# Allegro board TubiiPCB_V6.brd (continued)
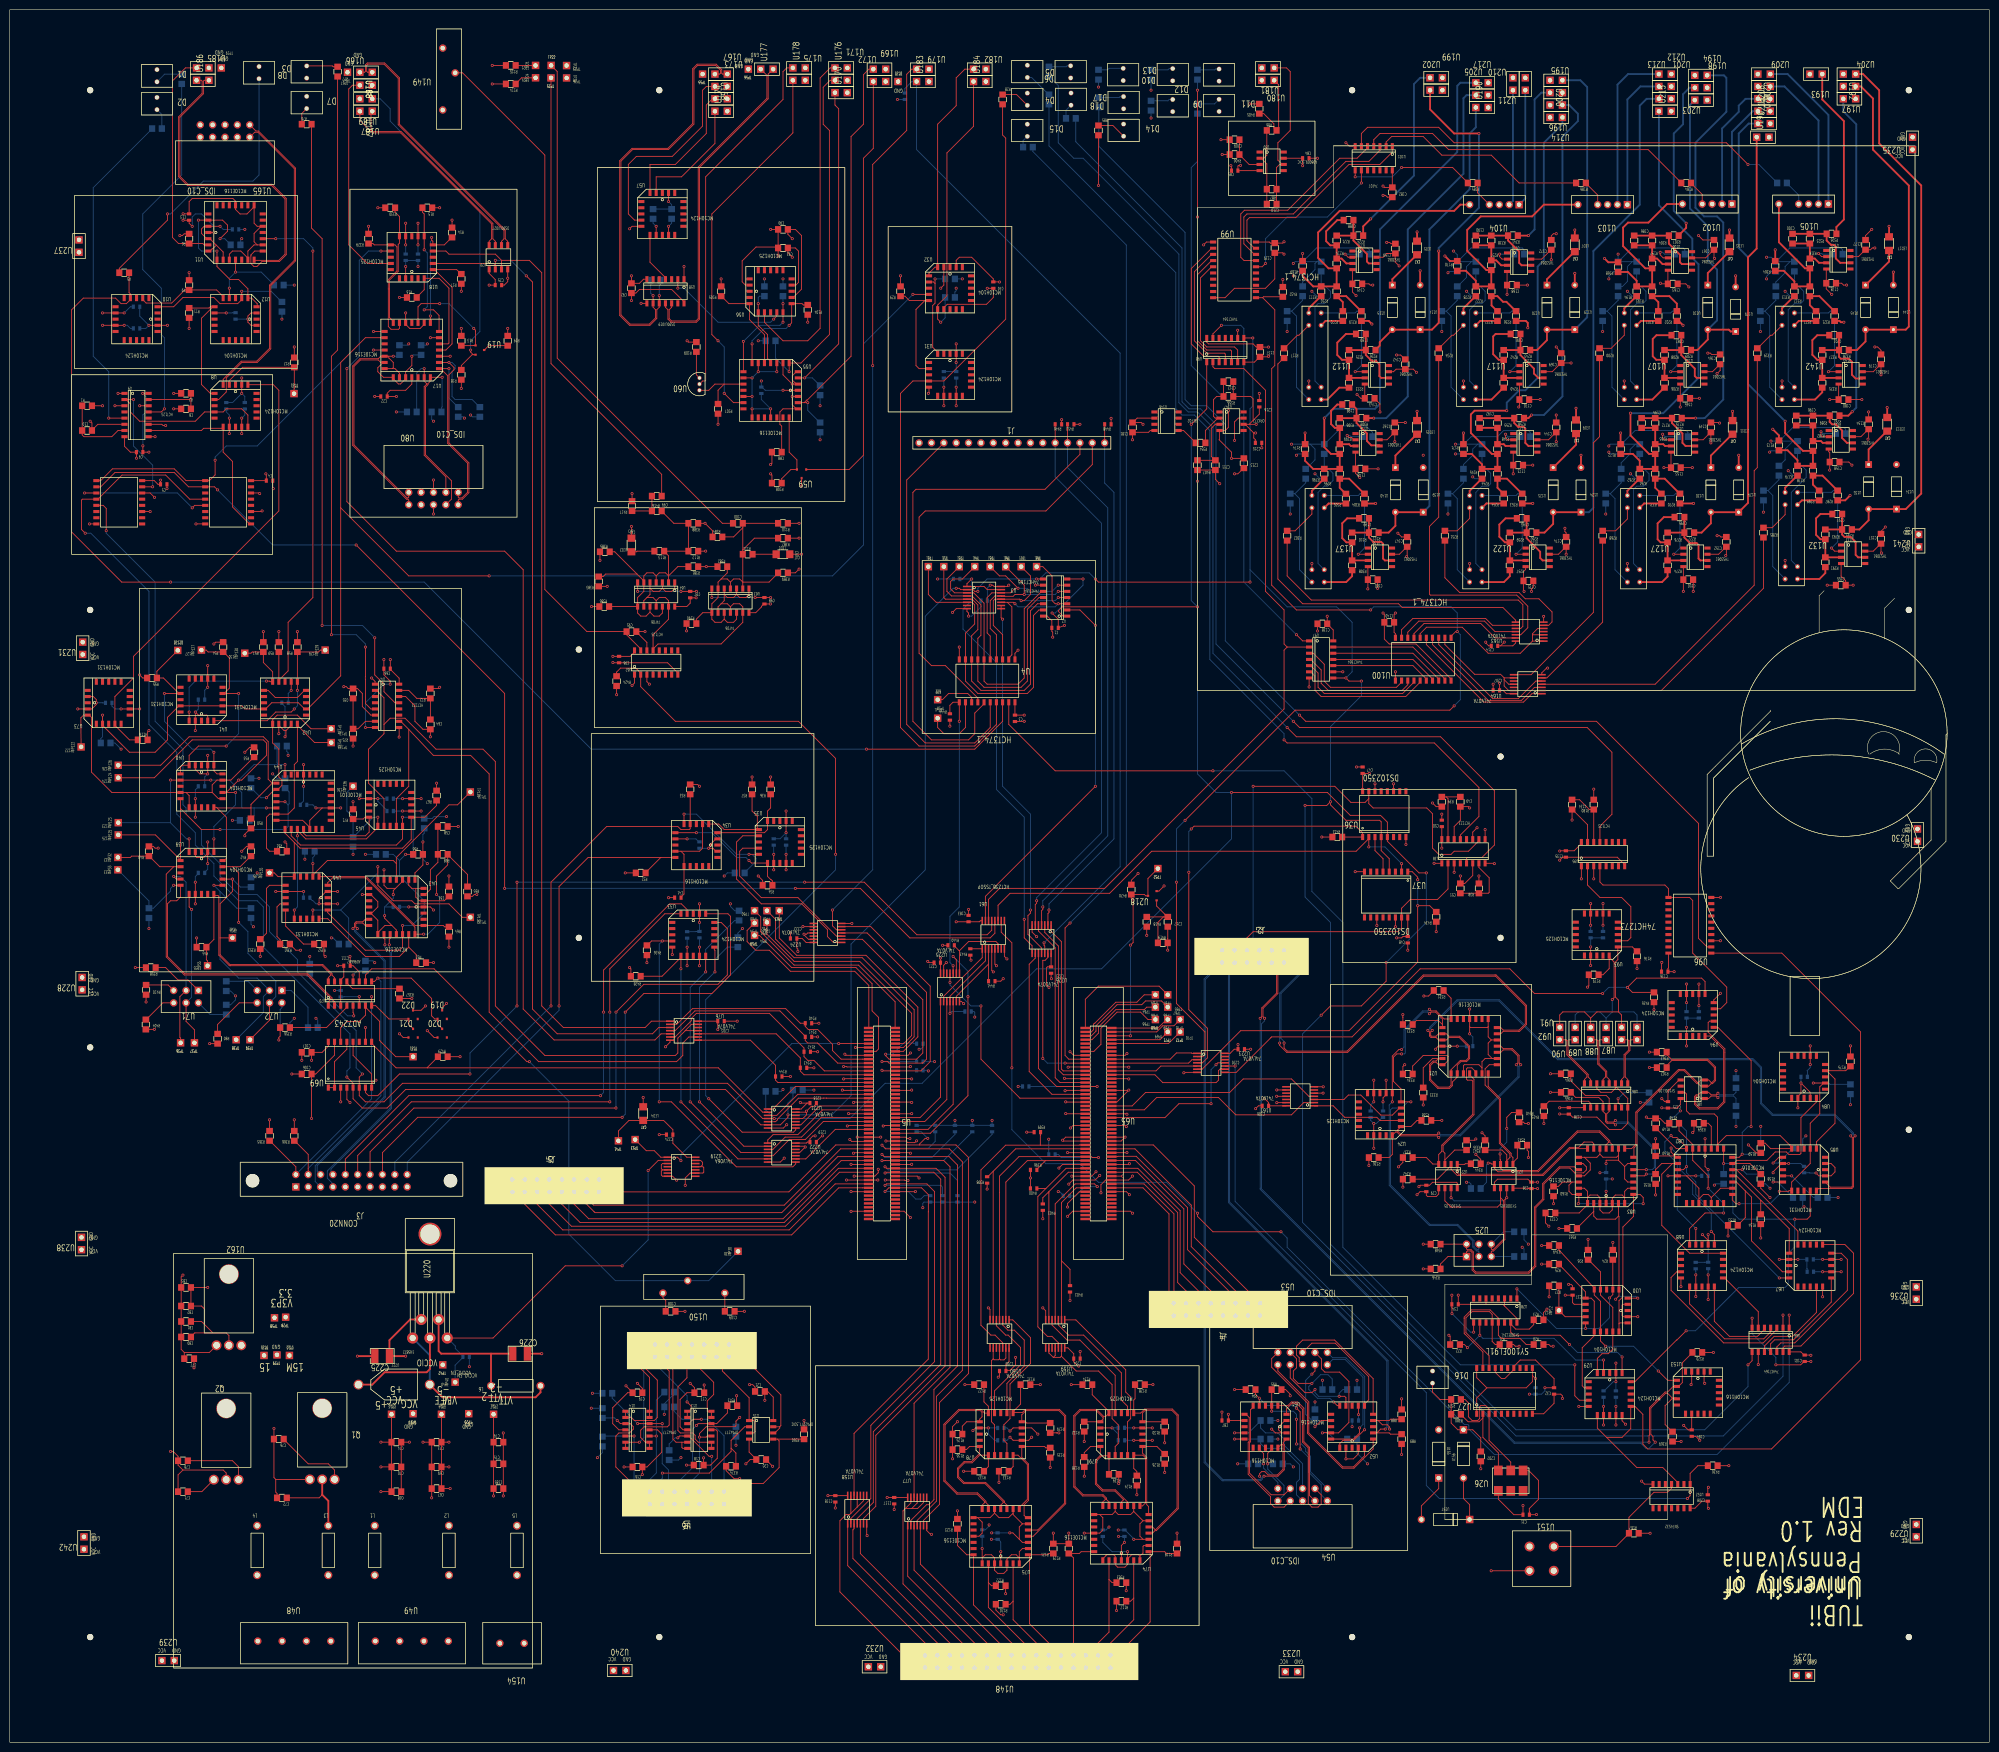
[diagram p0: board, top side]
## Routing (per net, layer and track width the routed paths; a pad name or vN(x,y) marks a point on that pad's centre or on a via; arc(x,y) is an arc through that point) (continued)
UNNAMED_1_RESL_I11_B_1: length 16.2
  TOP w0.381: C186.2 R204.2 R207.1 340.63,307.58 342.9,305.31 342.9,303.78 343.28,303.4 U106.6
UNNAMED_1_RESL_I11_B_2: length 15.2
  TOP w0.381: U111.6 279.02,303.53 278.64,303.91 278.64,305.46 275.86,308.24 R224.1 ; R224.1 R221.2 ; R224.1 C188.2
UNNAMED_1_RESL_I11_B_3: length 15.8
  TOP w0.381: C190.2 R238.2 R241.1 307.61,308.24 309.88,305.97 309.88,303.66 310.39,303.15 U116.6
UNNAMED_1_RESL_I11_B_4: length 16.5
  TOP w0.381: C192.2 R255.2 R258.1 308.88,270.77 309.65,270 310.77,270 311.15,269.62 311.15,266.7 311.78,266.06 U121.6
UNNAMED_1_RESL_I11_B_5: length 15.1
  TOP w0.381: C194.2 R272.2 R275.1 341.26,270.77 343.41,268.63 343.41,266.7 344.04,266.06 U126.6
UNNAMED_1_RESL_I11_B_6: length 15.6
  TOP w0.381: U131.6 377.19,266.7 376.17,267.71 376.17,269.24 374.9,270.51 374.14,270.51 373.63,271.02 373.65,271.03 R292.1 R289.2 C196.2
UNNAMED_1_RESL_I11_B_7: length 15.2
  TOP w0.381: U136.6 281.11,266.19 279.53,266.19 278.64,267.08 278.64,268.63 276.49,270.77 R309.1 ; R309.1 R306.2 ; R309.1 276.49,273.65 C198.2
UNNAMED_1_RESL_I16_A: length 16.4
  TOP w0.381: C201.1 371.09,288.8 370.08,287.78 370.08,284.77 371.1,283.75 R327.1 R325.2 U143.3
UNNAMED_1_RESL_I16_A_1: length 17.4
  TOP w0.381: C187.1 338.07,288.8 337.31,288.04 337.31,284.48 338.04,283.75 R208.1 R206.2 U108.3
UNNAMED_1_RESL_I16_A_2: length 16.9
  TOP w0.381: C189.1 274.32,289.05 272.54,287.27 272.54,284.73 273.53,283.75 R225.1 R223.2 U113.3
UNNAMED_1_RESL_I16_A_3: length 17
  TOP w0.381: U118.3 R240.2 R242.1 305.7,283.75 304.55,284.9 304.55,288.54 305.05,289.05 C191.1
UNNAMED_1_RESL_I16_A_4: length 16.2
  TOP w0.381: C193.1 307.09,251.21 305.82,249.94 305.82,247.44 306.97,246.28 R259.1 R257.2 U123.3
UNNAMED_1_RESL_I16_A_5: length 16.6
  TOP w0.381: C195.1 339.6,251.46 338.31,250.17 338.31,246.91 338.93,246.28 R276.1 R274.2 U128.3
UNNAMED_1_RESL_I16_A_6: length 16.3
  TOP w0.381: 375.98,243.2 372.74,243.2 R293.1 371.74,246.92 370.84,247.82 370.84,251.21 371.73,252.1 C197.1
UNNAMED_1_RESL_I16_A_7: length 16.3
  TOP w0.381: U138.3 R308.2 R310.1 274.42,246.28 273.56,247.14 273.56,250.19 274.57,251.21 C199.1
UNNAMED_1_RESL_I16_B: length 16.2
  TOP w0.381: U143.6 380.3,279.91 378.97,279.91 378.21,280.67 378.21,283.34 377.57,283.97 375.94,283.97 375.55,284.35 R328.1 ; R328.1 R327.2 ; R328.1 C201.2
UNNAMED_1_RESL_I16_B_1: length 15.1
  TOP w0.381: R208.2 R209.1 ; R209.1 343.17,284.72 345.95,281.94 345.95,280.42 346.33,280.04 U108.6 ; R209.1 C187.2
UNNAMED_1_RESL_I16_B_2: length 15.9
  TOP w0.381: C189.2 R226.1 ; R226.1 R225.2 ; R226.1 278.4,284.74 279.68,283.46 280.54,283.46 281.18,282.83 281.18,280.42 281.56,280.04 U113.6
UNNAMED_1_RESL_I16_B_3: length 15.1
  TOP w0.381: C191.2 R243.1 ; R243.1 310.15,284.72 312.93,281.94 312.93,280.93 313.82,280.04 U118.6 ; R243.1 R242.2
UNNAMED_1_RESL_I16_B_4: length 14.9
  TOP w0.381: R260.1 R259.2 ; R260.1 311.42,247.13 314.2,244.35 314.2,243.08 314.71,242.57 U123.6 ; R260.1 C193.2
UNNAMED_1_RESL_I16_B_5: length 16
  TOP w0.381: U128.6 347.09,242.57 346.71,242.95 346.71,245.75 346.33,246.13 344.96,246.13 343.8,247.28 R277.1 ; R276.2 R277.1 ; R277.1 C195.2
UNNAMED_1_RESL_I16_B_6: length 15.9
  TOP w0.381: R294.1 R293.2 ; R294.1 C197.2 ; R294.1 376.19,247.89 376.68,247.4 377.95,247.4 378.97,246.38 378.97,243.71 379.48,243.2 380.94,243.2
UNNAMED_1_RESL_I16_B_7: length 15.9
  TOP w0.381: C199.2 R311.1 ; R311.1 R310.2 ; R311.1 279.03,247.28 279.93,246.38 281.56,246.38 281.94,246 281.94,242.95 282.32,242.57 U138.6
UNNAMED_1_RSMD0805_I4_B: length 4.1
  TOP w0.178: R115.2 TP21.1
UNNAMED_1_RSMD0805_I5_B: length 4.6
  TOP w0.178: TP24.1 105.09,341.63 103.87,340.41 R114.2
UNNAMED_1_RSMD0805_I16_B: length 31.9
  TOP w0.178: R20.2 311.33,81.63 310.06,82.9 306.25,82.9 305.62,83.54 U28.13 305.62,87.06 303.93,88.75 300.08,88.75 299.87,88.54 299.87,88.54 298.6,87.27 298.6,86.98 298.6,86.97 298.6,83.92 298.81,83.72 298.81,83.72 302.44,80.09 U27.19
UNNAMED_1_RSMD0805_I17_B: length 25.8
  TOP w0.178: R21.2 304.98,81.63 304.35,82.27 U28.12 304.35,87.83 303.78,88.39 300.23,88.39 298.96,87.12 298.96,84.07 303.71,79.32 U27.18
UNNAMED_1_RSMD0805_I18_B: length 13.1
  TOP w0.178: v1(373.38,281.31) U143.2
  BOTTOM w0.178: R324.2 374.65,282.57 v1(373.38,281.31)
UNNAMED_1_RSMD0805_I18_B_1: length 12.9
  TOP w0.178: v1(340.99,281.31) U108.2
  BOTTOM w0.178: R205.2 342.26,282.57 v1(340.99,281.31)
UNNAMED_1_RSMD0805_I18_B_2: length 12.9
  TOP w0.178: U113.2 v1(276.22,281.31)
  BOTTOM w0.178: v1(276.22,281.31) 277.49,282.57 R222.2
UNNAMED_1_RSMD0805_I18_B_3: length 12.9
  TOP w0.178: U118.2 v1(307.97,281.31)
  BOTTOM w0.178: v1(307.97,281.31) 309.24,282.57 R239.2
UNNAMED_1_RSMD0805_I18_B_4: length 12.9
  TOP w0.178: U123.2 v1(309.24,243.84)
  BOTTOM w0.178: R256.2 310.51,245.11 v1(309.24,243.84)
UNNAMED_1_RSMD0805_I18_B_5: length 12.9
  TOP w0.178: v1(341.63,243.84) U128.2
  BOTTOM w0.178: R273.2 342.9,245.11 v1(341.63,243.84)
UNNAMED_1_RSMD0805_I18_B_6: length 12.6
  TOP w0.178: v1(374.01,245.11) 374.65,244.48 U133.2
  BOTTOM w0.178: v1(374.01,245.11) 375.28,246.38 R290.2
UNNAMED_1_RSMD0805_I18_B_7: length 12.9
  TOP w0.178: v1(276.86,243.84) U138.2
  BOTTOM w0.178: R307.2 278.13,245.11 v1(276.86,243.84)
UNNAMED_1_RSMD0805_I39_A: length 21.3
  TOP w0.178: C202.2 302.01,62.48 300.35,64.13 U156.1 297.31,64.13 295.93,65.52 R380.1 R379.1 293.62,70.36 292.1,71.88 D16.2
UNNAMED_1_RSMD0805_I45_B: length 10.7
  TOP w0.178: R358.2 32,159 34.54,156.46 36.58,156.46 38.73,154.31
UNNAMED_1_RSMD0805_I53_B: length 11
  BOTTOM w0.178: R47.2 61.23,150.86 57.78,154.31 U72.1
UNNAMED_1_RSMD0805_I54_B: length 11.9
  TOP w0.178: R80.2 42.67,147.32 47.12,151.77 U72.6
UNNAMED_1_RSMD0805_I55_B: length 7.1
  TOP w0.178: U71.6 31.44,151.77 27.99,148.32 R404.2
UNNAMED_1_RSMD0805_I60_B: length 6.1
  TOP w0.178: U71.3 32.53,155.43 R410.2
UNNAMED_1_RSMD0805_I61_B: length 6.7
  BOTTOM w0.178: 38.73,151.77 41.13,149.37 R411.2
UNNAMED_1_RSMD0805_I62_B: length 7.1
  BOTTOM w0.178: R412.2 48.91,156.19 U72.3
UNNAMED_1_RSMD0805_I63_B: length 5.2
  BOTTOM w0.178: U72.4 55.88,150.78 55.51,150.42 R413.2
UNNAMED_1_RSMD0805_I95_A: length 11.1
  TOP w0.178: U86.10 324.56,131.14 324.13,131.57 316.04,131.57 315.01,130.54 R415.1
UNNAMED_1_RSMD0805_I96_A: length 9
  TOP w0.178: v1(330.2,132.08) 330.2,131.32 330.91,130.6 U86.15
  BOTTOM w0.178: v1(330.2,132.08) 331.45,133.33 R414.1
UNNAMED_1_SS22SDP2_I34_P1: length 38.2
  TOP w0.178: v1(33.66,177.71) 34.2,177.16 U39.7 ; TP36.1 35.08,144.54 34.92,144.69 34.92,153.03 U71.2
  BOTTOM w0.178: v1(33.66,177.71) 35.02,177.71 36.19,176.53 U71.2
UNNAMED_1_SS22SDP2_I34_P2: length 32
  TOP w0.178: U71.5 36.19,147.96 37.92,146.23 TP37.1 ; U39.9 36.83,171.45 v1(37.34,170.94)
  BOTTOM w0.178: U71.5 37.34,152.91 v1(37.34,170.94)
UNNAMED_1_SS22SDP2_I35_P1: length 51.1
  TOP w0.178: v1(41.91,175.9) U39.14
  BOTTOM w0.178: v1(41.91,175.9) 43.18,174.62 ; 43.18,174.62 46.62,171.18 R44.2 ; 43.18,174.62 43.18,160.66 46.99,156.84 50.8,156.84 U72.2 52.07,153.03 52.07,149.78 TP38.1
UNNAMED_1_SS22SDP2_I35_P2: length 48.1
  TOP w0.178: U39.17 45.72,179.71 ; 45.72,179.71 47.3,179.71 49.48,181.88 R42.2 ; 45.72,179.71 46.99,178.44 v1(46.99,168.28) ; U72.5 53.34,148.21 TP39.1
  BOTTOM w0.178: U72.5 54.61,153.03 54.61,156.21 48.89,161.93 48.89,166.37 v1(46.99,168.28)
UNNAMED_1_Z4KE_I37_CAT: length 10
  TOP w0.178: U157.2 289.81,48.51 293.37,52.07 U155.1
UNNAMED_1_Z4KE_I38_AND: length 9
  TOP w0.178: U157.1 299.72,48.77 298.45,50.04 U156.2
USE_BCKP_N: length 32.1
  TOP w0.178: R337.1 290.83,120.02 292.16,118.68 U22.4 293.37,120.65 294,121.28 294,122.56 300.35,128.91 300.35,135.71 300.18,135.89 299.26,135.89 299.08,136.07 299.08,138.25 299.26,138.43 300.16,138.43 300.99,137.6 U21.9
USE_BCKP_P: length 27
  TOP w0.178: U22.3 294.64,119.53 ; 294.64,119.53 296.66,121.55 R335.1 ; 294.64,119.53 294.64,120.9 294.26,121.28 294.26,122.45 300.61,128.8 300.61,136.08 299.72,136.97 U21.8
USE_DEFAULT_N: length 30.7
  TOP w0.178: 307.34,119.38 307.34,120.58 306.37,121.55 R341.2 ; 307.34,119.38 307.97,120.02 307.99,120.02 307.99,120.77 305.82,122.94 305.82,131.97 302.89,134.89 302.89,138.22 303.74,139.06 U21.12 ; 307.34,119.38 U23.2
USE_DEFAULT_P: length 24.6
  TOP w0.178: U21.11 303.53,134.62 306.07,132.08 306.07,123.04 308.24,120.87 308.24,120.39 308.61,120.02 308.61,119 ; R343.2 309.51,119.9 308.61,119 ; 308.61,119 U23.1
VBB_TRANS: length 28.7
  TOP w0.178: 161.48,278.76 v1(160.66,278.76) 158.75,280.67 U55.6 ; 161.48,278.76 U55.2 ; 161.48,278.76 160.67,279.58 160.67,280.49 161.48,281.31 U55.4 ; U55.28 v1(160.66,276.23) 160.66,274.51 161.48,273.69 ; C88.2 158.48,270.14 158.12,270.51 158.12,273.05 158.75,273.69 161.48,273.69 ; U55.26 161.48,273.69
  BOTTOM w0.178: v1(160.66,276.23) v1(160.66,278.76)
VTT: length 699.4
  TOP w0.178: v1(237.11,61.47) R130.2 ; R54.1 42.28,225.79 v1(41.91,225.43) ; v1(220.6,61.72) R132.2 ; R123.1 v1(194.56,47.5) ; R176.1 v1(334.09,158.8) ; R334.1 286.02,138.7 v1(286.38,139.06) ; R34.1 154.57,176.9 v1(153.67,177.8) ; R105.1 v1(146.05,300.36) ; R57.1 v1(52.07,227.97) ; R37.1 v1(152.4,198.12) ; v1(34.92,309.25) 35.45,309.25 35.81,309.61 R6.1 ; v1(56.52,184.78) 56.88,184.42 R61.1 ; R71.1 v1(70.48,193.04) ; R179.1 324.2,155.26 v1(323.93,154.99) ; R107.1 v1(145.41,270.51) ; R134.2 v1(217.93,73.41) ; v1(203.96,26.16) 203.44,26.16 202.45,27.15 R120.1 ; R346.1 v1(290.19,97.16) ; R128.2 v1(234.7,73.41) ; v1(311.78,127) 311.05,127 310.78,127.27 R340.1 ; R363.1 v1(229.22,31.1) ; v1(141.6,196.22) 141.24,196.58 R33.1 ; v1(300.99,123.83) 300.72,123.56 R335.2 ; R153.2 v1(352.77,103.92) ; R122.1 v1(204.45,30.5) ; R20.1 315.99,81.63 316.34,81.28 v1(316.86,81.28) ; R64.1 v1(90.17,163.19) ; R151.2 v1(337.9,112.34) ; R150.2 v1(337.9,123.87) ; R117.1 v1(227.22,27.04) ; R94.1 v1(251.46,72.39) ; R333.1 v1(290.19,130.81) ; v1(215.39,63.5) 214.87,63.5 214.85,63.52 R129.1 ; v1(335.99,128.32) 336.26,128.05 R149.2 338.8,128.05 339.8,127.05 R148.2 ; R11.1 v1(36.83,290.19) ; v1(290.32,153.16) 291.28,153.16 292.37,154.25 R331.1 ; R338.1 v1(294,127.63) ; v1(217.42,42.93) R119.1 R121.1 v1(214.25,42.93) ; v1(28.57,207.64) 28.31,207.38 R116.1 ; v1(26.67,219.07) 27.31,218.44 R55.1 ; R32.1 v1(126.37,178.44) ; v1(95.89,173.99) 95.36,173.99 95,173.62 R65.1 ; R17.2 v1(92.71,297.81) ; R24.1 v1(329.11,102.59) ; R36.1 v1(156.21,198.12) ; v1(239.65,42.93) R118.1 ; R95.1 261.93,72.39 262.89,71.43 v1(262.89,71.12) ; R58.1 v1(59.06,227.97) ; R159.2 358.58,120.97 v1(356.95,122.6) ; v1(285.11,118.11) 286.02,119.01 R337.2 ; R89.1 v1(285.75,59.05) ; R342.2 v1(286.02,113.93) ; v1(315.59,88.9) 314.87,88.18 R23.1 ; R53.1 49.26,204.2 v1(48.26,203.2) ; R137.1 v1(195.83,55.63) ; R175.1 v1(377.9,142.92) ; R50.1 49.48,187.59 48.26,186.38 v1(48.26,186.06) ; R369.2 v1(343.14,61.74) ; R343.1 311.52,121.55 311.78,121.28 v1(311.78,120.02) ; v1(237.11,55.37) R126.2 ; R344.2 301.99,119.65 v1(300.99,120.65) ; R13.2 v1(92.71,290.19) ; R336.1 v1(279.03,118.38) ; R158.1 359.49,113.71 v1(361.39,111.81) ; v1(47.62,182.88) 48.63,183.88 R42.1 ; v1(359.49,103.5) R154.2 ; R15.2 v1(88.27,314.96) ; R12.1 v1(58.42,286.38) ; R135.1 v1(213.61,56.39) ; R9.1 v1(36.83,301.62) ; R329.1 v1(73.66,311.15) ; R45.1 v1(38.37,165.08) ; v1(193.56,58.18) R136.1 R125.1 193.56,64.79 v1(194.56,65.79) ; v1(286,149.35) 286,148.83 286.02,148.81 R332.1 ; v1(99.33,50.56) C185.2 C75.2 C79.2 TP17.1 ; v1(87,160.02) R62.1 ; R164.1 v1(316.31,137.21) ; R165.1 v1(316.31,133.4) ; R162.1 v1(336.63,138.48) ; R59.1 v1(55.25,227.97) ; v1(203.09,53.34) R133.1 ; R22.1 295.73,83.27 v1(295.46,83.54) ; R163.1 v1(336.63,141.65) ; R161.1 v1(318.06,105.46) ; R131.1 v1(211.58,73.41) ; R138.2 220.61,56.51 v1(220.61,54.61) ; R370.2 v1(349.76,80.01) ; R104.1 v1(163.83,291.47) ; R341.1 302.89,124.46 v1(302.26,125.09) ; R349.1 v1(314.51,101.95) ; R16.2 v1(80.01,296.55) ; v1(324.03,103.22) R26.1 ; R124.2 v1(231.39,50.8) ; v1(227.68,53.09) R139.2 ; R14.2 v1(90.81,312.42) ; R88.1 v1(285.75,70.48) ; R67.1 v1(87.63,196.85) ; R29.1 v1(182.88,300.99) ; R348.1 v1(290.19,102.24) ; R160.1 v1(316.94,110.54) ; v1(309.88,81.28) 309.09,81.28 308.74,81.63 R21.1 ; R330.1 v1(75.56,314.96) ; R48.1 29.48,183.88 29.85,183.52 v1(30.48,183.52) ; R25.1 v1(314.51,98.14) ; R27.1 v1(316.05,91.42) ; R127.1 v1(196.09,73.41)
  VTT w0.178: v1(300.99,120.65) 301.38,121.04 ; v1(300.99,120.65) 300.6,121.04 ; v1(300.99,120.65) 300.6,120.26 ; v1(300.99,120.65) 301.38,120.26 ; 204.06,30.1 v1(204.45,30.5) ; v1(204.45,30.5) 204.85,30.89 ; v1(204.45,30.5) 204.06,30.89 ; v1(204.45,30.5) 204.85,30.1 ; v1(58.42,286.38) 58.81,285.99 ; v1(58.42,286.38) 58.03,285.99 ; v1(58.42,286.38) 58.03,286.78 ; v1(58.42,286.38) 58.81,286.78 ; 354.01,126.81 v1(354.41,126.41) ; v1(354.41,126.41) 354.8,126.02 ; v1(354.41,126.41) 354.01,126.02 ; v1(354.41,126.41) 354.8,126.81 ; v1(66.04,165.1) 66.43,165.49 ; v1(66.04,165.1) 65.65,164.71 ; v1(66.04,165.1) 65.65,165.49 ; v1(66.04,165.1) 66.43,164.71 ; 45.33,188.84 v1(45.72,189.23) ; v1(45.72,189.23) 46.11,189.62 ; v1(45.72,189.23) 46.11,188.84 ; v1(45.72,189.23) 45.33,189.62 ; v1(60.59,181.24) 60.99,181.64 ; v1(60.59,181.24) 60.2,180.85 ; v1(60.59,181.24) 60.99,180.85 ; v1(60.59,181.24) 60.2,181.64 ; 289.8,102.63 v1(290.19,102.24) ; v1(290.19,102.24) 290.59,102.63 ; v1(290.19,102.24) 290.59,101.84 ; v1(290.19,102.24) 289.8,101.84 ; 310.12,101.21 v1(310.51,101.6) ; v1(310.51,101.6) 310.12,101.99 ; v1(310.51,101.6) 310.91,101.21 ; v1(310.51,101.6) 310.91,101.99 ; 213.86,43.32 v1(214.25,42.93) ; v1(214.25,42.93) 214.64,43.32 ; v1(214.25,42.93) 213.86,42.53 ; v1(214.25,42.93) 214.64,42.53 ; v1(48.26,203.2) 48.65,202.81 ; v1(48.26,203.2) 47.87,202.81 ; v1(48.26,203.2) 48.65,203.59 ; v1(48.26,203.2) 47.87,203.59 ; 89.78,162.8 v1(90.17,163.19) ; v1(90.17,163.19) 89.78,163.59 ; v1(90.17,163.19) 90.56,163.59 ; v1(90.17,163.19) 90.56,162.8 ; v1(227.22,27.04) 227.61,27.43 ; v1(227.22,27.04) 226.82,26.64 ; v1(227.22,27.04) 227.61,26.64 ; v1(227.22,27.04) 226.82,27.43 ; 377.51,131.25 v1(377.9,130.86) ; v1(377.9,130.86) 377.51,130.46 ; v1(377.9,130.86) 378.29,131.25 ; v1(377.9,130.86) 378.29,130.46 ; v1(79.38,273.05) 79.77,273.44 ; v1(79.38,273.05) 78.98,272.66 ; v1(79.38,273.05) 79.77,272.66 ; v1(79.38,273.05) 78.98,273.44 ; v1(73.66,311.15) 74.05,311.54 ; v1(73.66,311.15) 73.27,311.54 ; v1(73.66,311.15) 73.27,310.76 ; v1(73.66,311.15) 74.05,310.76 ; v1(220.6,61.72) 220.99,62.12 ; v1(220.6,61.72) 220.21,62.12 ; v1(220.6,61.72) 220.99,61.33 ; v1(220.6,61.72) 220.21,61.33 ; v1(145.41,270.51) 145.81,270.12 ; v1(145.41,270.51) 145.81,270.9 ; v1(145.41,270.51) 145.02,270.9 ; v1(145.41,270.51) 145.02,270.12 ; 217.03,43.32 v1(217.42,42.93) ; v1(217.42,42.93) 217.82,43.32 ; v1(217.42,42.93) 217.03,42.53 ; v1(217.42,42.93) 217.82,42.53 ; 314.11,98.53 v1(314.51,98.14) ; v1(314.51,98.14) 314.9,98.53 ; v1(314.51,98.14) 314.11,97.75 ; v1(314.51,98.14) 314.9,97.75 ; 70.09,182.64 v1(70.48,182.25) ; v1(70.48,182.25) 70.88,181.85 ; v1(70.48,182.25) 70.88,182.64 ; v1(70.48,182.25) 70.09,181.85 ; v1(220.61,54.61) 221.01,55 ; v1(220.61,54.61) 220.22,55 ; v1(220.61,54.61) 220.22,54.22 ; v1(220.61,54.61) 221.01,54.22 ; v1(203.96,26.16) 204.36,25.77 ; v1(203.96,26.16) 204.36,26.56 ; v1(203.96,26.16) 203.57,25.77 ; v1(203.96,26.16) 203.57,26.56 ; v1(285.11,118.11) 285.51,118.5 ; v1(285.11,118.11) 284.72,117.72 ; v1(285.11,118.11) 284.72,118.5 ; v1(285.11,118.11) 285.51,117.72 ; v1(99.33,50.56) 99.72,50.95 ; v1(99.33,50.56) 98.94,50.17 ; v1(99.33,50.56) 99.72,50.17 ; v1(99.33,50.56) 98.94,50.95 ; v1(194.56,65.79) 194.96,65.39 ; v1(194.56,65.79) 194.96,66.18 ; v1(194.56,65.79) 194.17,66.18 ; v1(194.56,65.79) 194.17,65.39 ; 285.36,70.09 v1(285.75,70.48) 286.14,70.09 ; v1(146.69,177.8) 147.08,177.41 ; v1(146.69,177.8) 146.29,177.41 ; v1(146.69,177.8) 146.29,178.19 ; v1(146.69,177.8) 147.08,178.19 ; v1(194.56,47.5) 194.96,47.1 ; v1(194.56,47.5) 194.17,47.89 ; v1(194.56,47.5) 194.17,47.1 ; v1(194.56,47.5) 194.96,47.89 ; 49.64,166.99 v1(50.04,167.39) ; v1(50.04,167.39) 50.43,166.99 ; v1(50.04,167.39) 50.43,167.78 ; v1(50.04,167.39) 49.64,167.78 ; v1(316.94,110.54) 317.33,110.93 ; v1(316.94,110.54) 316.55,110.93 ; v1(316.94,110.54) 316.55,110.15 ; v1(316.94,110.54) 317.33,110.15 ; v1(215.39,63.5) 215.79,63.89 ; v1(215.39,63.5) 215,63.11 ; v1(215.39,63.5) 215.79,63.11 ; v1(215.39,63.5) 215,63.89 ; v1(361.39,111.81) 361.78,112.2 ; v1(361.39,111.81) 361,111.41 ; v1(361.39,111.81) 361,112.2 ; v1(361.39,111.81) 361.78,111.41 ; v1(55.88,292.1) 56.27,291.71 ; v1(55.88,292.1) 55.49,291.71 ; v1(55.88,292.1) 55.49,292.49 ; v1(55.88,292.1) 56.27,292.49 ; 53.58,198.36 v1(53.98,198.75) ; v1(53.98,198.75) 53.58,199.15 ; v1(53.98,198.75) 54.37,198.36 ; v1(53.98,198.75) 54.37,199.15 ; v1(126.37,178.44) 126.76,178.83 ; v1(126.37,178.44) 126.76,178.04 ; v1(126.37,178.44) 125.97,178.83 ; v1(126.37,178.44) 125.97,178.04 ; v1(316.31,133.4) 316.7,133.79 ; v1(316.31,133.4) 315.91,133 ; v1(316.31,133.4) 315.91,133.79 ; v1(316.31,133.4) 316.7,133 ; 163.44,291.07 v1(163.83,291.47) ; v1(163.83,291.47) 164.22,291.07 ; v1(163.83,291.47) 164.22,291.86 ; v1(163.83,291.47) 163.44,291.86 ; v1(318.06,105.46) 318.45,105.85 ; v1(318.06,105.46) 317.66,105.85 ; v1(318.06,105.46) 318.45,105.06 ; v1(318.06,105.46) 317.66,105.06 ; 293.61,128.03 v1(294,127.63) ; v1(294,127.63) 294.4,128.03 ; v1(294,127.63) 293.61,127.24 ; v1(294,127.63) 294.4,127.24 ; 342.58,129.98 v1(342.98,129.59) ; v1(342.98,129.59) 342.58,129.19 ; v1(342.98,129.59) 343.37,129.98 ; v1(342.98,129.59) 343.37,129.19 ; v1(48.26,186.06) 48.65,185.66 ; v1(48.26,186.06) 47.87,186.45 ; v1(48.26,186.06) 47.87,185.66 ; v1(48.26,186.06) 48.65,186.45 ; v1(335.99,128.32) 336.38,128.71 ; v1(335.99,128.32) 335.6,128.71 ; v1(335.99,128.32) 335.6,127.92 ; v1(335.99,128.32) 336.38,127.92 ; v1(41.91,225.43) 42.3,225.82 ; v1(41.91,225.43) 41.52,225.82 ; v1(41.91,225.43) 41.52,225.03 ; v1(41.91,225.43) 42.3,225.03 ; 87.24,196.46 v1(87.63,196.85) ; v1(87.63,196.85) 88.02,197.24 ; v1(87.63,196.85) 88.02,196.46 ; v1(87.63,196.85) 87.24,197.24 ; v1(315.59,88.9) 315.99,89.29 ; v1(315.59,88.9) 315.2,89.29 ; v1(315.59,88.9) 315.2,88.51 ; v1(315.59,88.9) 315.99,88.51 ; v1(352.77,103.92) 353.16,104.32 ; v1(352.77,103.92) 353.16,103.53 ; v1(352.77,103.92) 352.38,103.53 ; v1(352.77,103.92) 352.38,104.32 ; v1(290.19,97.16) 290.59,96.76 ; v1(290.19,97.16) 289.8,97.55 ; v1(290.19,97.16) 289.8,96.76 ; v1(290.19,97.16) 290.59,97.55 ; 193.17,57.79 v1(193.56,58.18) ; v1(193.56,58.18) 193.96,58.57 ; v1(193.56,58.18) 193.96,57.79 ; v1(193.56,58.18) 193.17,58.57 ; v1(269.51,74.3) 269.9,73.9 ; v1(269.51,74.3) 269.9,74.69 ; v1(269.51,74.3) 269.12,74.69 ; v1(269.51,74.3) 269.12,73.9 ; 337.5,112.74 v1(337.9,112.34) ; v1(337.9,112.34) 338.29,112.74 ; v1(337.9,112.34) 337.5,111.95 ; v1(337.9,112.34) 338.29,111.95 ; v1(28.57,167) 28.97,166.61 ; v1(28.57,167) 28.18,167.4 ; v1(28.57,167) 28.18,166.61 ; v1(28.57,167) 28.97,167.4 ; v1(51.17,197.85) 51.56,197.46 ; v1(51.17,197.85) 51.56,198.24 ; v1(51.17,197.85) 50.77,197.46 ; v1(51.17,197.85) 50.77,198.24 ; 36.44,301.23 v1(36.83,301.62) ; v1(36.83,301.62) 37.22,302.02 ; v1(36.83,301.62) 37.22,301.23 ; v1(36.83,301.62) 36.44,302.02 ; v1(75.56,314.96) 75.96,314.57 ; v1(75.56,314.96) 75.17,314.57 ; v1(75.56,314.96) 75.96,315.35 ; v1(75.56,314.96) 75.17,315.35 ; 213.22,55.99 v1(213.61,56.39) ; v1(213.61,56.39) 214.01,55.99 ; v1(213.61,56.39) 214.01,56.78 ; v1(213.61,56.39) 213.22,56.78 ; v1(152.4,198.12) 152.79,197.73 ; v1(152.4,198.12) 152.79,198.51 ; v1(152.4,198.12) 152.01,198.51 ; v1(152.4,198.12) 152.01,197.73 ; 309.49,80.89 v1(309.88,81.28) ; v1(309.88,81.28) 310.27,80.89 ; v1(309.88,81.28) 310.27,81.67 ; v1(309.88,81.28) 309.49,81.67 ; v1(377.9,142.92) 378.29,143.32 ; v1(377.9,142.92) 377.51,142.53 ; v1(377.9,142.92) 378.29,142.53 ; v1(377.9,142.92) 377.51,143.32 ; v1(324.03,103.22) 324.43,102.83 ; v1(324.03,103.22) 323.64,102.83 ; v1(324.03,103.22) 323.64,103.61 ; v1(324.03,103.22) 324.43,103.61 ; 298.69,115.33 v1(299.08,114.94) ; v1(299.08,114.94) 299.48,114.54 ; v1(299.08,114.94) 298.69,114.54 ; v1(299.08,114.94) 299.48,115.33 ; 195.19,299.96 v1(195.58,300.36) ; v1(195.58,300.36) 195.97,300.75 ; v1(195.58,300.36) 195.97,299.96 ; v1(195.58,300.36) 195.19,300.75 ; v1(286,149.35) 286.4,148.96 ; v1(286,149.35) 285.61,148.96 ; v1(286,149.35) 285.61,149.75 ; v1(286,149.35) 286.4,149.75 ; v1(237.11,61.47) 237.5,61.86 ; v1(237.11,61.47) 236.72,61.86 ; v1(237.11,61.47) 237.5,61.07 ; v1(237.11,61.47) 236.72,61.07 ; v1(323.93,154.99) 324.32,155.38 ; v1(323.93,154.99) 323.53,155.38 ; v1(323.93,154.99) 324.32,154.59 ; v1(323.93,154.99) 323.53,154.59 ; v1(334.09,158.8) 334.48,159.19 ; v1(334.09,158.8) 333.69,158.4 ; v1(334.09,158.8) 334.48,158.4 ; v1(334.09,158.8) 333.69,159.19 ; 81.52,286.63 v1(81.92,287.02) ; v1(81.92,287.02) 82.31,287.41 ; v1(81.92,287.02) 82.31,286.63 ; v1(81.92,287.02) 81.52,287.41 ; v1(182.88,300.99) 183.27,301.38 ; v1(182.88,300.99) 183.27,300.6 ; v1(182.88,300.99) 182.49,300.6 ; v1(182.88,300.99) 182.49,301.38 ; v1(329.11,102.59) 329.51,102.19 ; v1(329.11,102.59) 328.72,102.19 ; v1(329.11,102.59) 329.51,102.98 ; v1(329.11,102.59) 328.72,102.98 ; v1(295.46,83.54) 295.85,83.93 ; v1(295.46,83.54) 295.06,83.93 ; v1(295.46,83.54) 295.06,83.14 ; v1(295.46,83.54) 295.85,83.14 ; 223.13,340.12 v1(223.52,339.73) ; v1(223.52,339.73) 223.91,339.33 ; v1(223.52,339.73) 223.91,340.12 ; v1(223.52,339.73) 223.13,339.33 ; v1(87,271.14) 87.39,270.75 ; v1(87,271.14) 86.6,271.54 ; v1(87,271.14) 86.6,270.75 ; v1(87,271.14) 87.39,271.54 ; v1(59.06,227.97) 59.45,228.36 ; v1(59.06,227.97) 59.45,227.57 ; v1(59.06,227.97) 58.66,227.57 ; v1(59.06,227.97) 58.66,228.36 ; 202.69,52.95 v1(203.09,53.34) ; v1(203.09,53.34) 203.48,52.95 ; v1(203.09,53.34) 202.69,53.73 ; v1(203.09,53.34) 203.48,53.73 ; v1(314.51,101.95) 314.9,101.56 ; v1(314.51,101.95) 314.11,102.34 ; v1(314.51,101.95) 314.11,101.56 ; v1(314.51,101.95) 314.9,102.34 ; v1(337.9,123.87) 338.29,124.27 ; v1(337.9,123.87) 337.5,124.27 ; v1(337.9,123.87) 337.5,123.48 ; v1(337.9,123.87) 338.29,123.48 ; v1(58.42,299.08) 58.81,298.69 ; v1(58.42,299.08) 58.03,298.69 ; v1(58.42,299.08) 58.81,299.48 ; v1(58.42,299.08) 58.03,299.48 ; v1(356.95,122.6) 357.34,122.21 ; v1(356.95,122.6) 356.55,123 ; v1(356.95,122.6) 357.34,123 ; v1(356.95,122.6) 356.55,122.21 ; v1(70.48,193.04) 70.88,192.65 ; v1(70.48,193.04) 70.09,192.65 ; v1(70.48,193.04) 70.88,193.43 ; v1(70.48,193.04) 70.09,193.43 ; 342.75,61.34 v1(343.14,61.74) ; v1(343.14,61.74) 343.53,62.13 ; v1(343.14,61.74) 342.75,62.13 ; v1(343.14,61.74) 343.53,61.34 ; v1(22.86,203.83) 23.25,204.23 ; v1(22.86,203.83) 22.47,204.23 ; v1(22.86,203.83) 23.25,203.44 ; v1(22.86,203.83) 22.47,203.44 ; 195.69,73.8 v1(196.09,73.41) ; v1(196.09,73.41) 196.48,73.01 ; v1(196.09,73.41) 196.48,73.8 ; v1(196.09,73.41) 195.69,73.01 ; v1(290.19,130.81) 290.59,130.42 ; v1(290.19,130.81) 289.8,130.42 ; v1(290.19,130.81) 289.8,131.2 ; v1(290.19,130.81) 290.59,131.2 ; v1(88.27,314.96) 88.66,314.57 ; v1(88.27,314.96) 88.66,315.35 ; v1(88.27,314.96) 87.87,315.35 ; v1(88.27,314.96) 87.87,314.57 ; 276.2,74.69 v1(276.59,74.3) ; v1(276.59,74.3) 276.2,73.9 ; v1(276.59,74.3) 276.98,74.69 ; v1(276.59,74.3) 276.98,73.9 ; 211.19,73.01 v1(211.58,73.41) ; v1(211.58,73.41) 211.98,73.01 ; v1(211.58,73.41) 211.98,73.8 ; v1(211.58,73.41) 211.19,73.8 ; 47.23,309 v1(47.62,308.61) ; v1(47.62,308.61) 47.23,308.22 ; v1(47.62,308.61) 48.02,308.22 ; v1(47.62,308.61) 48.02,309 ; v1(336.63,138.48) 337.02,138.87 ; v1(336.63,138.48) 336.23,138.08 ; v1(336.63,138.48) 337.02,138.08 ; v1(336.63,138.48) 336.23,138.87 ; 153.28,288.05 v1(153.67,287.66) ; v1(153.67,287.66) 154.06,288.05 ; v1(153.67,287.66) 153.28,287.26 ; v1(153.67,287.66) 154.06,287.26 ; v1(300.99,123.83) 301.38,123.43 ; v1(300.99,123.83) 300.6,123.43 ; v1(300.99,123.83) 300.6,124.22 ; v1(300.99,123.83) 301.38,124.22 ; 154.55,300.75 v1(154.94,300.36) ; v1(154.94,300.36) 155.33,300.75 ; v1(154.94,300.36) 155.33,299.96 ; v1(154.94,300.36) 154.55,299.96 ; v1(55.25,227.97) 55.64,228.36 ; v1(55.25,227.97) 54.85,228.36 ; v1(55.25,227.97) 55.64,227.57 ; v1(55.25,227.97) 54.85,227.57 ; v1(227.68,53.09) 228.07,52.69 ; v1(227.68,53.09) 227.29,52.69 ; v1(227.68,53.09) 227.29,53.48 ; v1(227.68,53.09) 228.07,53.48 ; v1(30.48,183.52) 30.87,183.12 ; v1(30.48,183.52) 30.87,183.91 ; v1(30.48,183.52) 30.09,183.12 ; v1(30.48,183.52) 30.09,183.91 ; v1(336.63,141.65) 337.02,141.26 ; v1(336.63,141.65) 336.23,142.05 ; v1(336.63,141.65) 337.02,142.05 ; v1(336.63,141.65) 336.23,141.26 ; 217.54,73.01 v1(217.93,73.41) ; v1(217.93,73.41) 218.33,73.01 ; v1(217.93,73.41) 218.33,73.8 ; v1(217.93,73.41) 217.54,73.8 ; v1(50.8,178.44) 51.19,178.04 ; v1(50.8,178.44) 50.41,178.83 ; v1(50.8,178.44) 51.19,178.83 ; v1(50.8,178.44) 50.41,178.04 ; 92.95,271.39 v1(93.34,271.78) ; v1(93.34,271.78) 93.74,271.39 ; v1(93.34,271.78) 93.74,272.17 ; v1(93.34,271.78) 92.95,272.17 ; 155.82,198.51 v1(156.21,198.12) ; v1(156.21,198.12) 155.82,197.73 ; v1(156.21,198.12) 156.6,197.73 ; v1(156.21,198.12) 156.6,198.51 ; 165.98,274.71 v1(166.37,274.32) ; v1(166.37,274.32) 166.76,274.71 ; v1(166.37,274.32) 166.76,273.93 ; v1(166.37,274.32) 165.98,273.93 ; v1(36.83,290.19) 37.22,290.59 ; v1(36.83,290.19) 36.44,289.8 ; v1(36.83,290.19) 36.44,290.59 ; v1(36.83,290.19) 37.22,289.8 ; 278.37,57.54 v1(278.76,57.15) ; v1(278.76,57.15) 278.37,56.76 ; v1(278.76,57.15) 279.16,57.54 ; v1(278.76,57.15) 279.16,56.76 ; 51.68,228.36 v1(52.07,227.97) ; v1(52.07,227.97) 52.46,227.57 ; v1(52.07,227.97) 52.46,228.36 ; v1(52.07,227.97) 51.68,227.57 ; v1(316.86,81.28) 317.26,80.89 ; v1(316.86,81.28) 317.26,81.67 ; v1(316.86,81.28) 316.47,81.67 ; v1(316.86,81.28) 316.47,80.89 ; v1(26.67,219.07) 27.06,219.47 ; v1(26.67,219.07) 26.28,218.68 ; v1(26.67,219.07) 27.06,218.68 ; v1(26.67,219.07) 26.28,219.47 ; 92.32,289.8 v1(92.71,290.19) ; v1(92.71,290.19) 92.32,290.59 ; v1(92.71,290.19) 93.1,290.59 ; v1(92.71,290.19) 93.1,289.8 ; 86.6,159.63 v1(87,160.02) ; v1(87,160.02) 87.39,160.41 ; v1(87,160.02) 87.39,159.63 ; v1(87,160.02) 86.6,160.41 ; 359.09,126.02 v1(359.49,126.41) ; v1(359.49,126.41) 359.88,126.02 ; v1(359.49,126.41) 359.88,126.81 ; v1(359.49,126.41) 359.09,126.81 ; v1(290.32,153.16) 290.72,153.56 ; v1(290.32,153.16) 290.72,152.77 ; v1(290.32,153.16) 289.93,152.77 ; v1(290.32,153.16) 289.93,153.56 ; 90.41,312.03 v1(90.81,312.42) ; v1(90.81,312.42) 91.2,312.03 ; v1(90.81,312.42) 90.41,312.81 ; v1(90.81,312.42) 91.2,312.81 ; 34.53,308.85 v1(34.92,309.25) ; v1(34.92,309.25) 35.32,308.85 ; v1(34.92,309.25) 35.32,309.64 ; v1(34.92,309.25) 34.53,309.64 ; v1(349.76,80.01) 350.15,79.62 ; v1(349.76,80.01) 349.36,79.62 ; v1(349.76,80.01) 350.15,80.4 ; v1(349.76,80.01) 349.36,80.4 ; 56.76,202.96 v1(57.15,202.56) ; v1(57.15,202.56) 57.54,202.17 ; v1(57.15,202.56) 56.76,202.17 ; v1(57.15,202.56) 57.54,202.96 ; v1(141.6,196.22) 142,196.61 ; v1(141.6,196.22) 141.21,195.82 ; v1(141.6,196.22) 142,195.82 ; v1(141.6,196.22) 141.21,196.61 ; 285.36,59.45 v1(285.75,59.05) ; v1(285.75,59.05) 285.36,58.66 ; v1(285.75,59.05) 286.14,58.66 ; v1(285.75,59.05) 286.14,59.45 ; v1(166.37,267.33) 166.76,266.94 ; v1(166.37,267.33) 166.76,267.73 ; v1(166.37,267.33) 165.98,267.73 ; v1(166.37,267.33) 165.98,266.94 ; 103.47,43.78 L5.2 ; L5.2 104.81,45.12 ; L5.2 103.47,45.12 ; L5.2 104.81,43.78 ; 195.44,56.02 v1(195.83,55.63) ; v1(195.83,55.63) 196.23,56.02 ; v1(195.83,55.63) 195.44,55.23 ; v1(195.83,55.63) 196.23,55.23 ; 28.18,208.04 v1(28.57,207.64) ; v1(28.57,207.64) 28.97,208.04 ; v1(28.57,207.64) 28.18,207.25 ; v1(28.57,207.64) 28.97,207.25 ; v1(56.52,184.78) 56.91,184.39 ; v1(56.52,184.78) 56.12,185.18 ; v1(56.52,184.78) 56.12,184.39 ; v1(56.52,184.78) 56.91,185.18 ; v1(262.89,71.12) 263.28,71.51 ; v1(262.89,71.12) 262.5,70.73 ; v1(262.89,71.12) 262.5,71.51 ; v1(262.89,71.12) 263.28,70.73 ; v1(316.05,91.42) 316.44,91.82 ; v1(316.05,91.42) 316.44,91.03 ; v1(316.05,91.42) 315.65,91.03 ; v1(316.05,91.42) 315.65,91.82 ; v1(94.62,272.42) 95.01,272.02 ; v1(94.62,272.42) 94.22,272.81 ; v1(94.62,272.42) 94.22,272.02 ; v1(94.62,272.42) 95.01,272.81 ; v1(302.26,125.09) 302.65,124.7 ; v1(302.26,125.09) 302.65,125.49 ; v1(302.26,125.09) 301.87,124.7 ; v1(302.26,125.09) 301.87,125.49 ; v1(194.31,298.45) 194.7,298.06 ; v1(194.31,298.45) 193.92,298.84 ; v1(194.31,298.45) 193.92,298.06 ; v1(194.31,298.45) 194.7,298.84 ; v1(92.71,297.81) 93.1,298.21 ; v1(92.71,297.81) 92.32,297.42 ; v1(92.71,297.81) 92.32,298.21 ; v1(92.71,297.81) 93.1,297.42 ; v1(251.46,72.39) 251.85,72 ; v1(251.46,72.39) 251.07,72.78 ; v1(251.46,72.39) 251.85,72.78 ; v1(251.46,72.39) 251.07,72 ; 267.58,69.46 v1(267.97,69.85) ; v1(267.97,69.85) 268.36,69.46 ; v1(267.97,69.85) 267.58,70.24 ; v1(267.97,69.85) 268.36,70.24 ; v1(38.37,165.08) 38.76,164.69 ; v1(38.37,165.08) 37.98,164.69 ; v1(38.37,165.08) 37.98,165.48 ; v1(38.37,165.08) 38.76,165.48 ; 79.62,296.94 v1(80.01,296.55) ; v1(80.01,296.55) 79.62,296.15 ; v1(80.01,296.55) 80.4,296.94 ; v1(80.01,296.55) 80.4,296.15 ; v1(252.09,57.15) 252.49,57.54 ; v1(252.09,57.15) 252.49,56.76 ; v1(252.09,57.15) 251.7,56.76 ; v1(252.09,57.15) 251.7,57.54 ; 234.3,73.01 v1(234.7,73.41) ; v1(234.7,73.41) 235.09,73.8 ; v1(234.7,73.41) 235.09,73.01 ; v1(234.7,73.41) 234.3,73.8 ; 153.28,177.41 v1(153.67,177.8) ; v1(153.67,177.8) 153.28,178.19 ; v1(153.67,177.8) 154.06,177.41 ; v1(153.67,177.8) 154.06,178.19 ; v1(158.75,300.36) 159.14,299.96 ; v1(158.75,300.36) 159.14,300.75 ; v1(158.75,300.36) 158.36,299.96 ; v1(158.75,300.36) 158.36,300.75 ; v1(316.31,137.21) 316.7,136.81 ; v1(316.31,137.21) 316.7,137.6 ; v1(316.31,137.21) 315.91,136.81 ; v1(316.31,137.21) 315.91,137.6 ; 311.39,127.39 v1(311.78,127) ; v1(311.78,127) 311.39,126.61 ; v1(311.78,127) 312.18,127.39 ; v1(311.78,127) 312.18,126.61 ; 285.99,138.67 v1(286.38,139.06) ; v1(286.38,139.06) 285.99,139.46 ; v1(286.38,139.06) 286.78,139.46 ; v1(286.38,139.06) 286.78,138.67 ; 228.83,31.49 v1(229.22,31.1) ; v1(229.22,31.1) 229.61,30.71 ; v1(229.22,31.1) 229.61,31.49 ; v1(229.22,31.1) 228.83,30.71 ; 145.66,299.96 v1(146.05,300.36) ; v1(146.05,300.36) 146.44,300.75 ; v1(146.05,300.36) 145.66,300.75 ; v1(146.05,300.36) 146.44,299.96 ; v1(260.35,62.23) 260.74,62.62 ; v1(260.35,62.23) 260.74,61.84 ; v1(260.35,62.23) 259.96,62.62 ; v1(260.35,62.23) 259.96,61.84 ; v1(260.35,66.04) 260.74,66.43 ; v1(260.35,66.04) 260.74,65.65 ; v1(260.35,66.04) 259.96,65.65 ; v1(260.35,66.04) 259.96,66.43 ; 349.57,113.95 v1(349.96,114.35) ; v1(349.96,114.35) 350.35,113.95 ; v1(349.96,114.35) 349.57,114.74 ; v1(349.96,114.35) 350.35,114.74 ; v1(73.03,182.25) 73.42,182.64 ; v1(73.03,182.25) 72.63,182.64 ; v1(73.03,182.25) 72.63,181.85 ; v1(73.03,182.25) 73.42,181.85 ; v1(95.89,173.99) 96.28,173.6 ; v1(95.89,173.99) 96.28,174.38 ; v1(95.89,173.99) 95.49,174.38 ; v1(95.89,173.99) 95.49,173.6 ; 359.09,103.11 v1(359.49,103.5) ; v1(359.49,103.5) 359.09,103.9 ; v1(359.49,103.5) 359.88,103.11 ; v1(359.49,103.5) 359.88,103.9 ; v1(239.65,42.93) 240.04,42.53 ; v1(239.65,42.93) 239.26,43.32 ; v1(239.65,42.93) 239.26,42.53 ; v1(239.65,42.93) 240.04,43.32 ; v1(263.52,56.51) 263.92,56.91 ; v1(263.52,56.51) 263.13,56.12 ; v1(263.52,56.51) 263.13,56.91 ; v1(263.52,56.51) 263.92,56.12 ; 361,113.32 v1(361.39,113.71) ; v1(361.39,113.71) 361.78,113.32 ; v1(361.39,113.71) 361.78,114.11 ; v1(361.39,113.71) 361,114.11 ; 231,50.41 v1(231.39,50.8) ; v1(231.39,50.8) 231,51.19 ; v1(231.39,50.8) 231.79,51.19 ; v1(231.39,50.8) 231.79,50.41 ; v1(354.41,137.84) 354.8,137.45 ; v1(354.41,137.84) 354.01,138.24 ; v1(354.41,137.84) 354.8,138.24 ; v1(354.41,137.84) 354.01,137.45 ; v1(47.62,182.88) 48.02,183.27 ; v1(47.62,182.88) 48.02,182.49 ; v1(47.62,182.88) 47.23,182.49 ; v1(47.62,182.88) 47.23,183.27 ; 278.64,117.99 v1(279.03,118.38) ; v1(279.03,118.38) 279.43,118.77 ; v1(279.03,118.38) 278.64,118.77 ; v1(279.03,118.38) 279.43,117.99 ; 285.63,113.54 v1(286.02,113.93) ; v1(286.02,113.93) 285.63,114.33 ; v1(286.02,113.93) 286.41,113.54 ; v1(286.02,113.93) 286.41,114.33 ; 236.72,55.77 v1(237.11,55.37) ; v1(237.11,55.37) 236.72,54.98 ; v1(237.11,55.37) 237.5,54.98 ; v1(237.11,55.37) 237.5,55.77 ; 85.33,180.73 v1(85.73,180.34) ; v1(85.73,180.34) 85.33,179.95 ; v1(85.73,180.34) 86.12,180.73 ; v1(85.73,180.34) 86.12,179.95 ; TP17.1 100,68 ; TP17.1 98.66,66.65 ; TP17.1 98.66,68 ; TP17.1 100,66.65 ; 311.39,119.62 v1(311.78,120.02) ; v1(311.78,120.02) 311.39,120.41 ; v1(311.78,120.02) 312.18,120.41 